# Altium PCB PCB.PcbDoc (part 1 of 4)
Units mm, origin at the board's own origin, x right, y up, seen from the top; angles counter-clockwise.
Board outline 100.83 x 35.45 mm, 6 copper layers (Top Layer, Mid Layer 1, Mid Layer 2, Mid Layer 3, Mid Layer 4, Bottom Layer), stack 1.032 mm thick; 283 components, 227 nets, 1174 pads, 1065 vias.
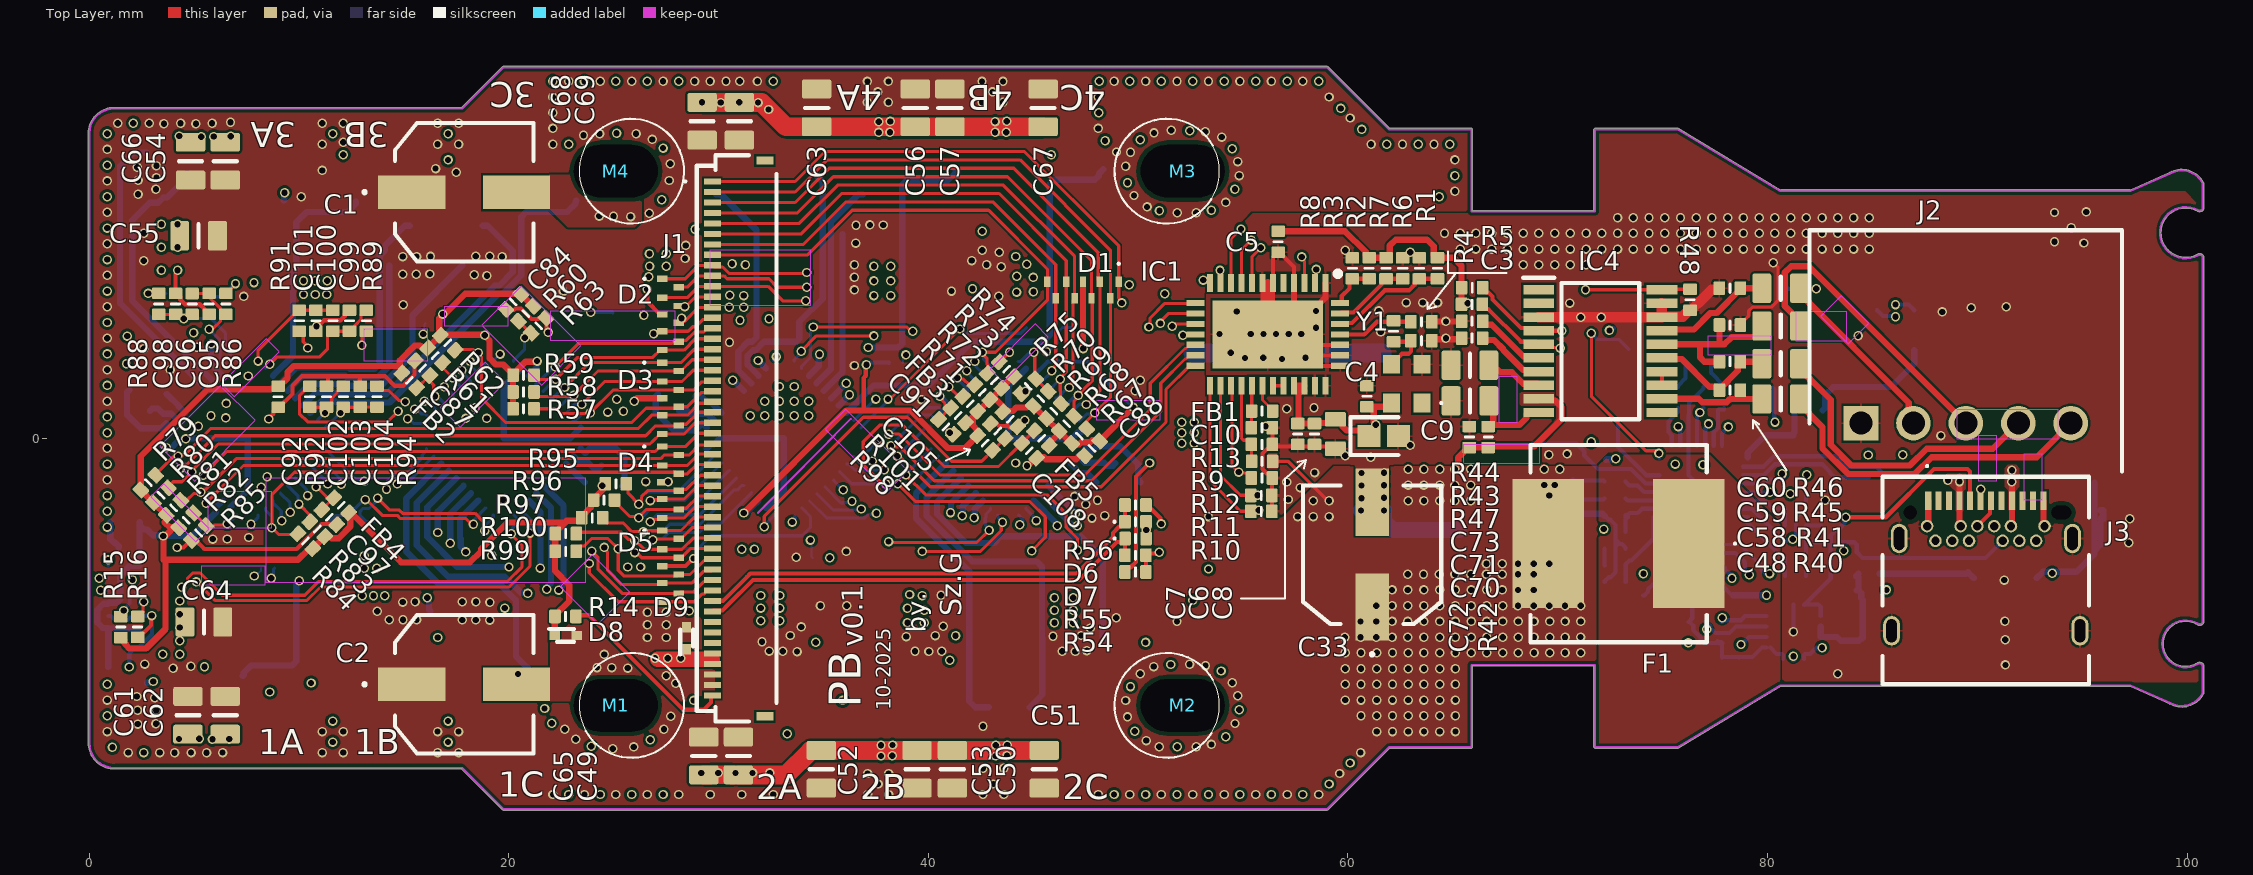
[diagram p0: Top Layer view]
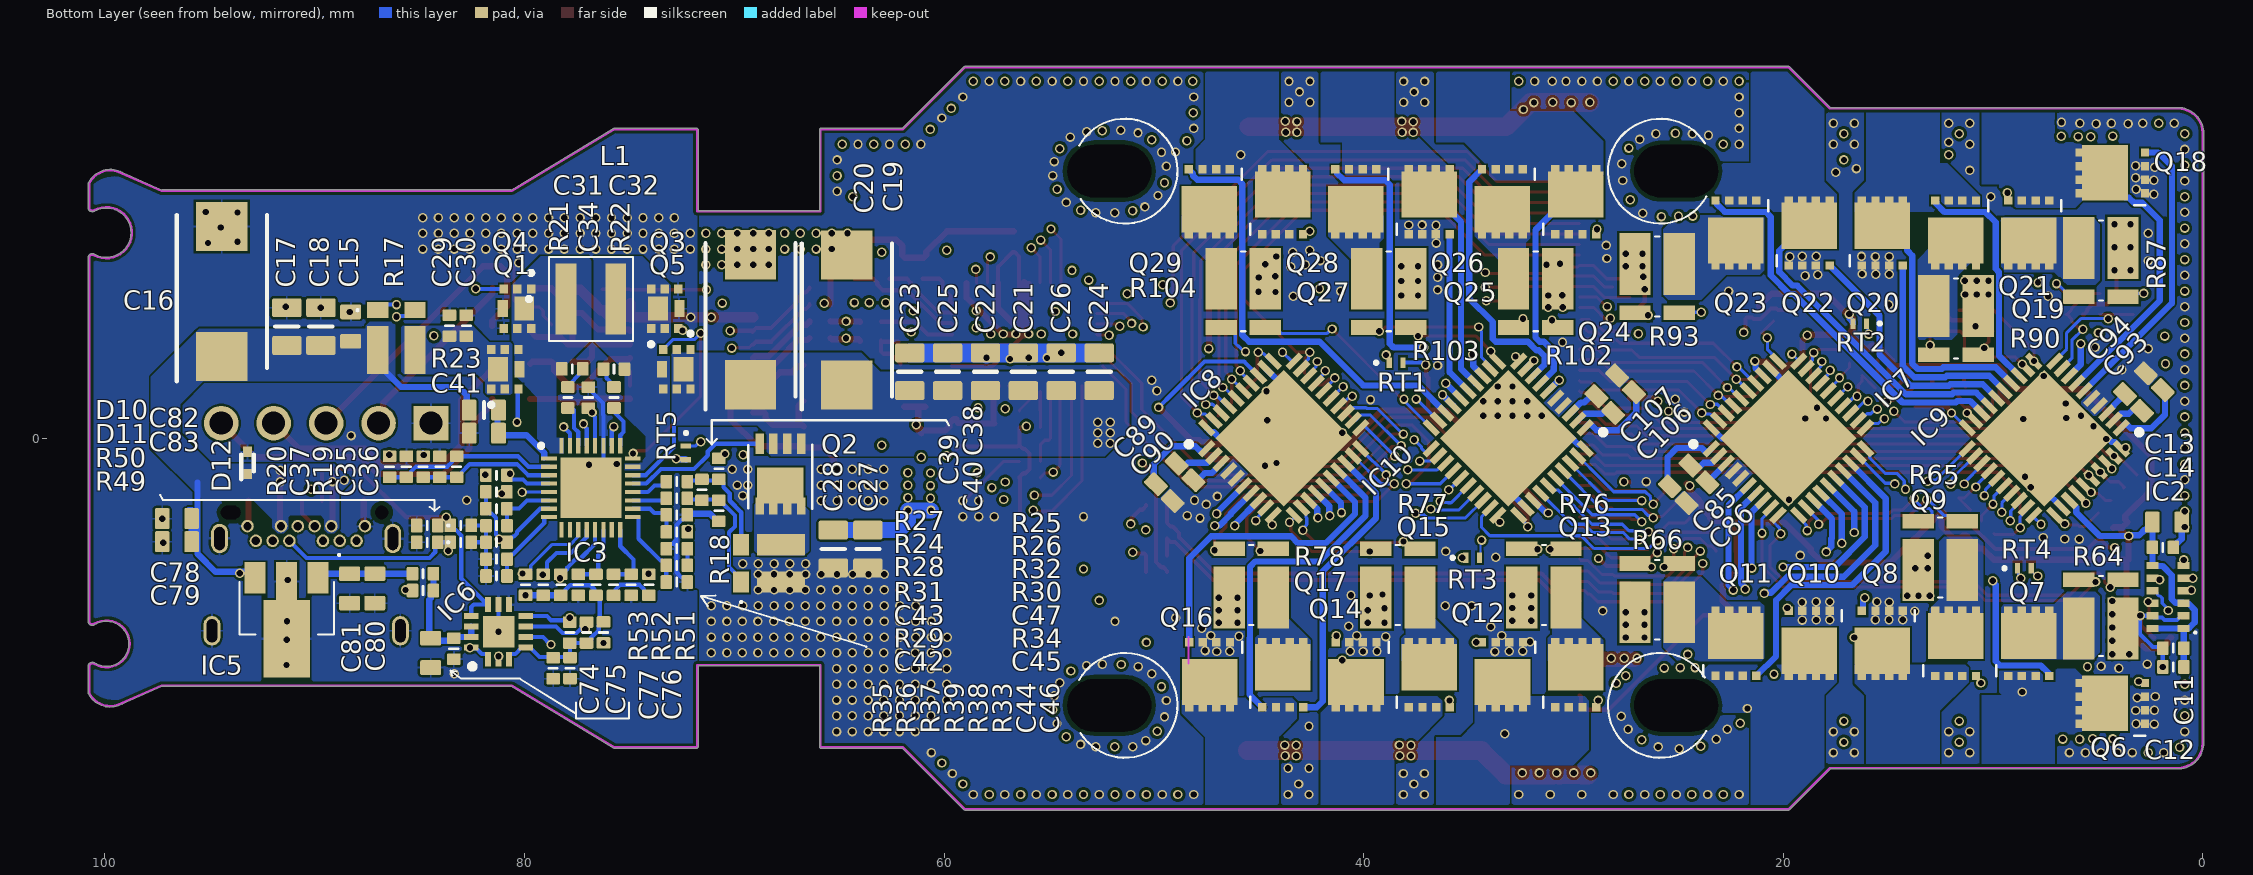
[diagram p1: Bottom Layer view, seen from below]
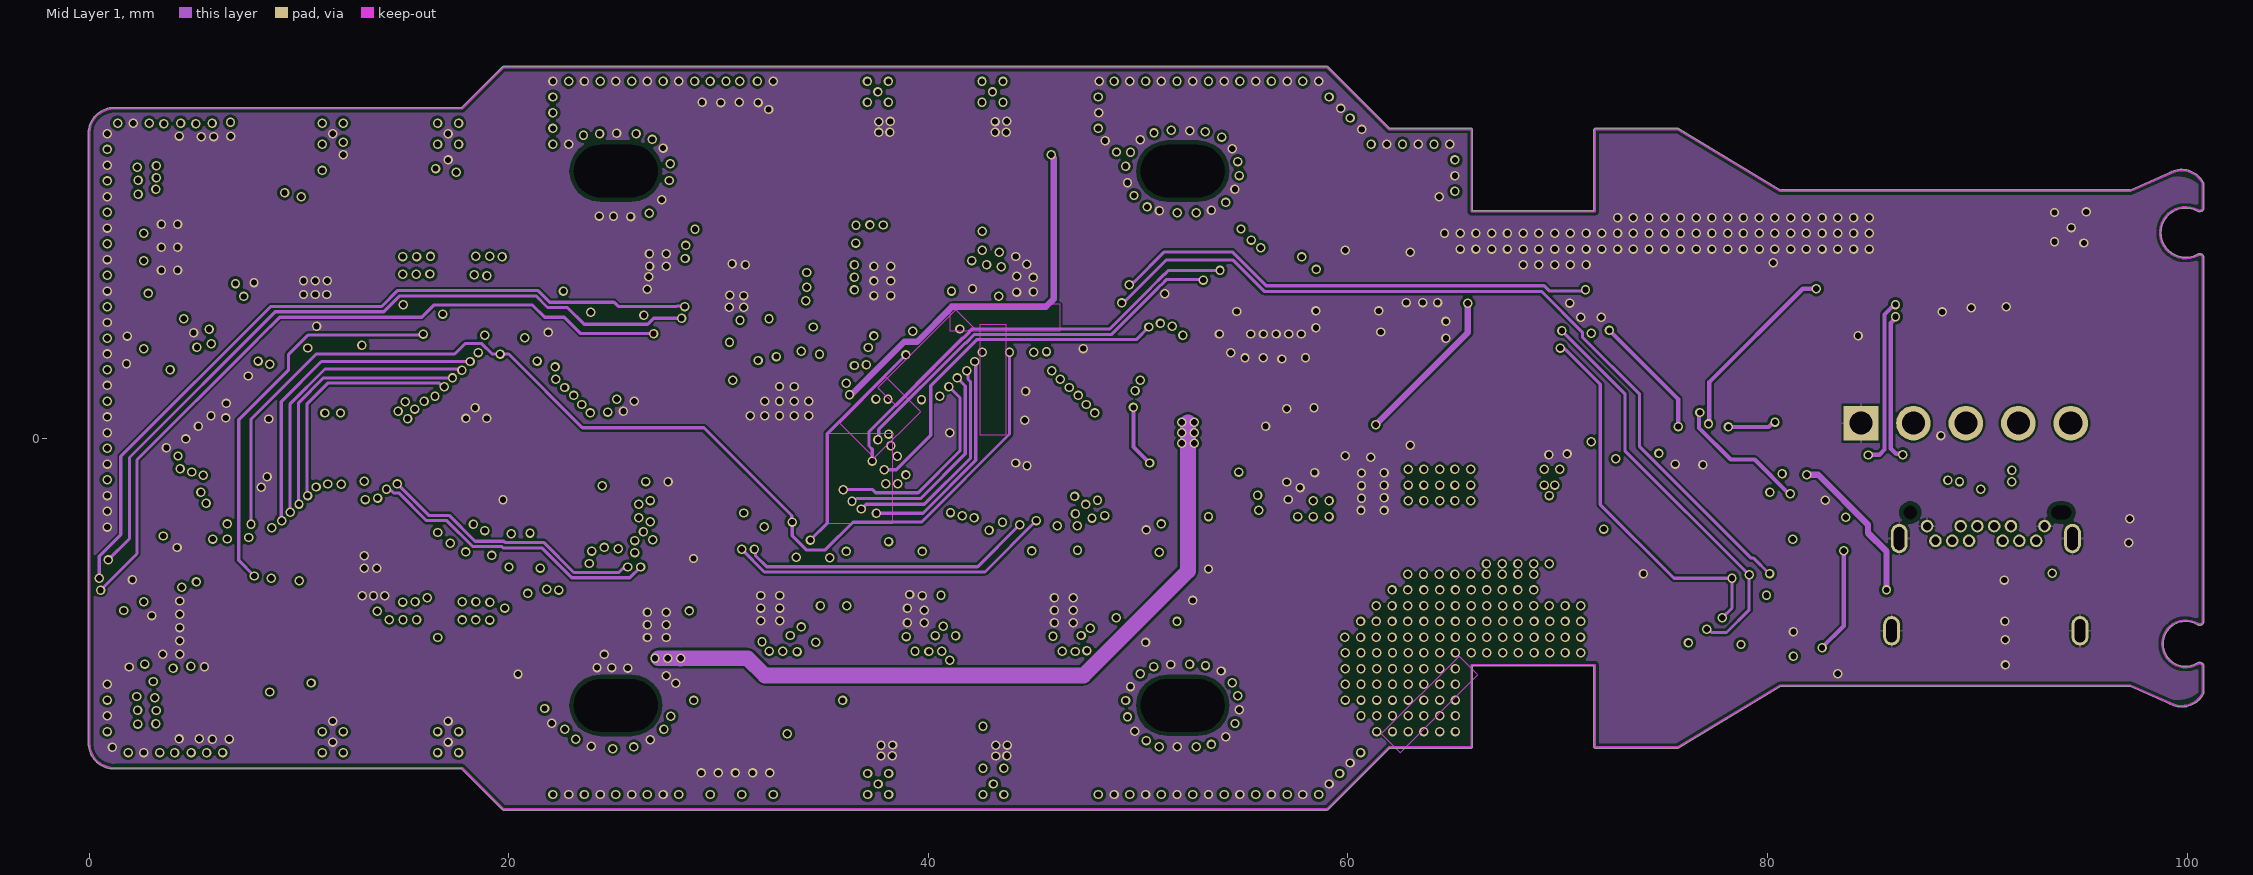
[diagram p2: Mid Layer 1]
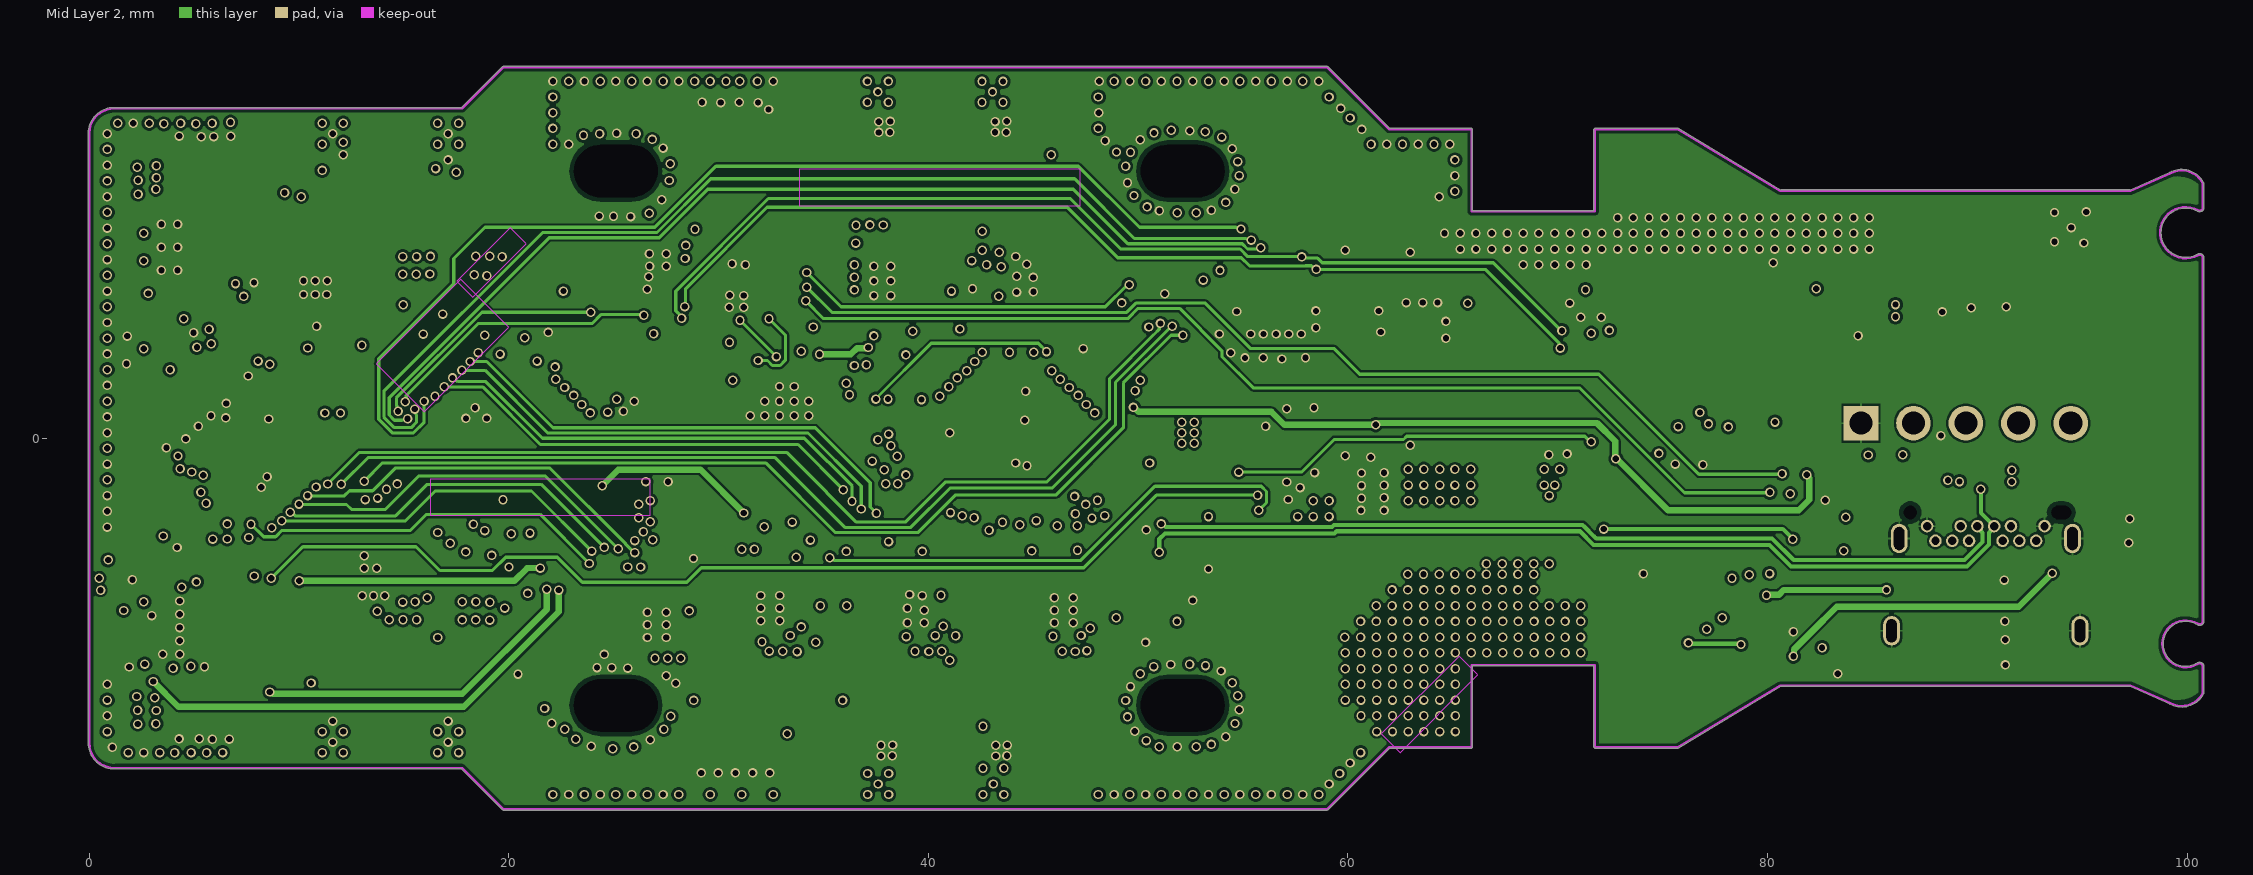
[diagram p3: Mid Layer 2]
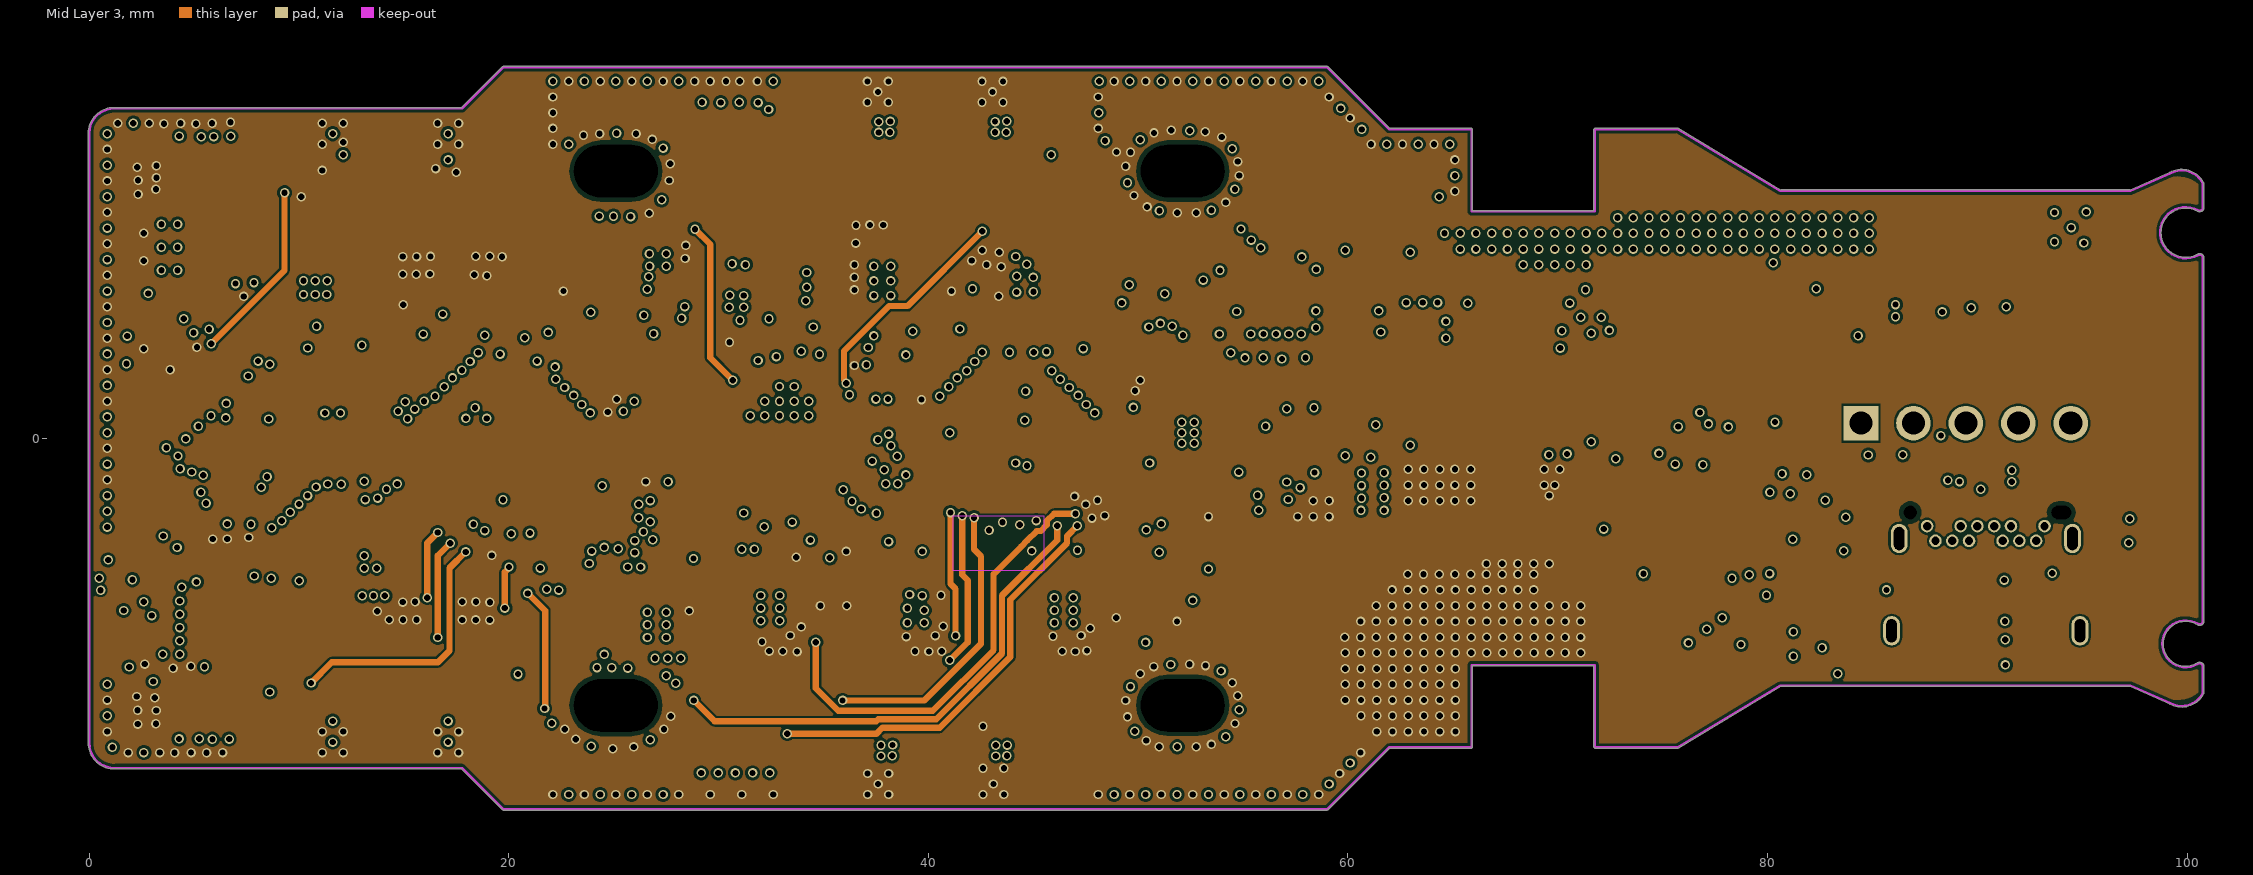
[diagram p4: Mid Layer 3]
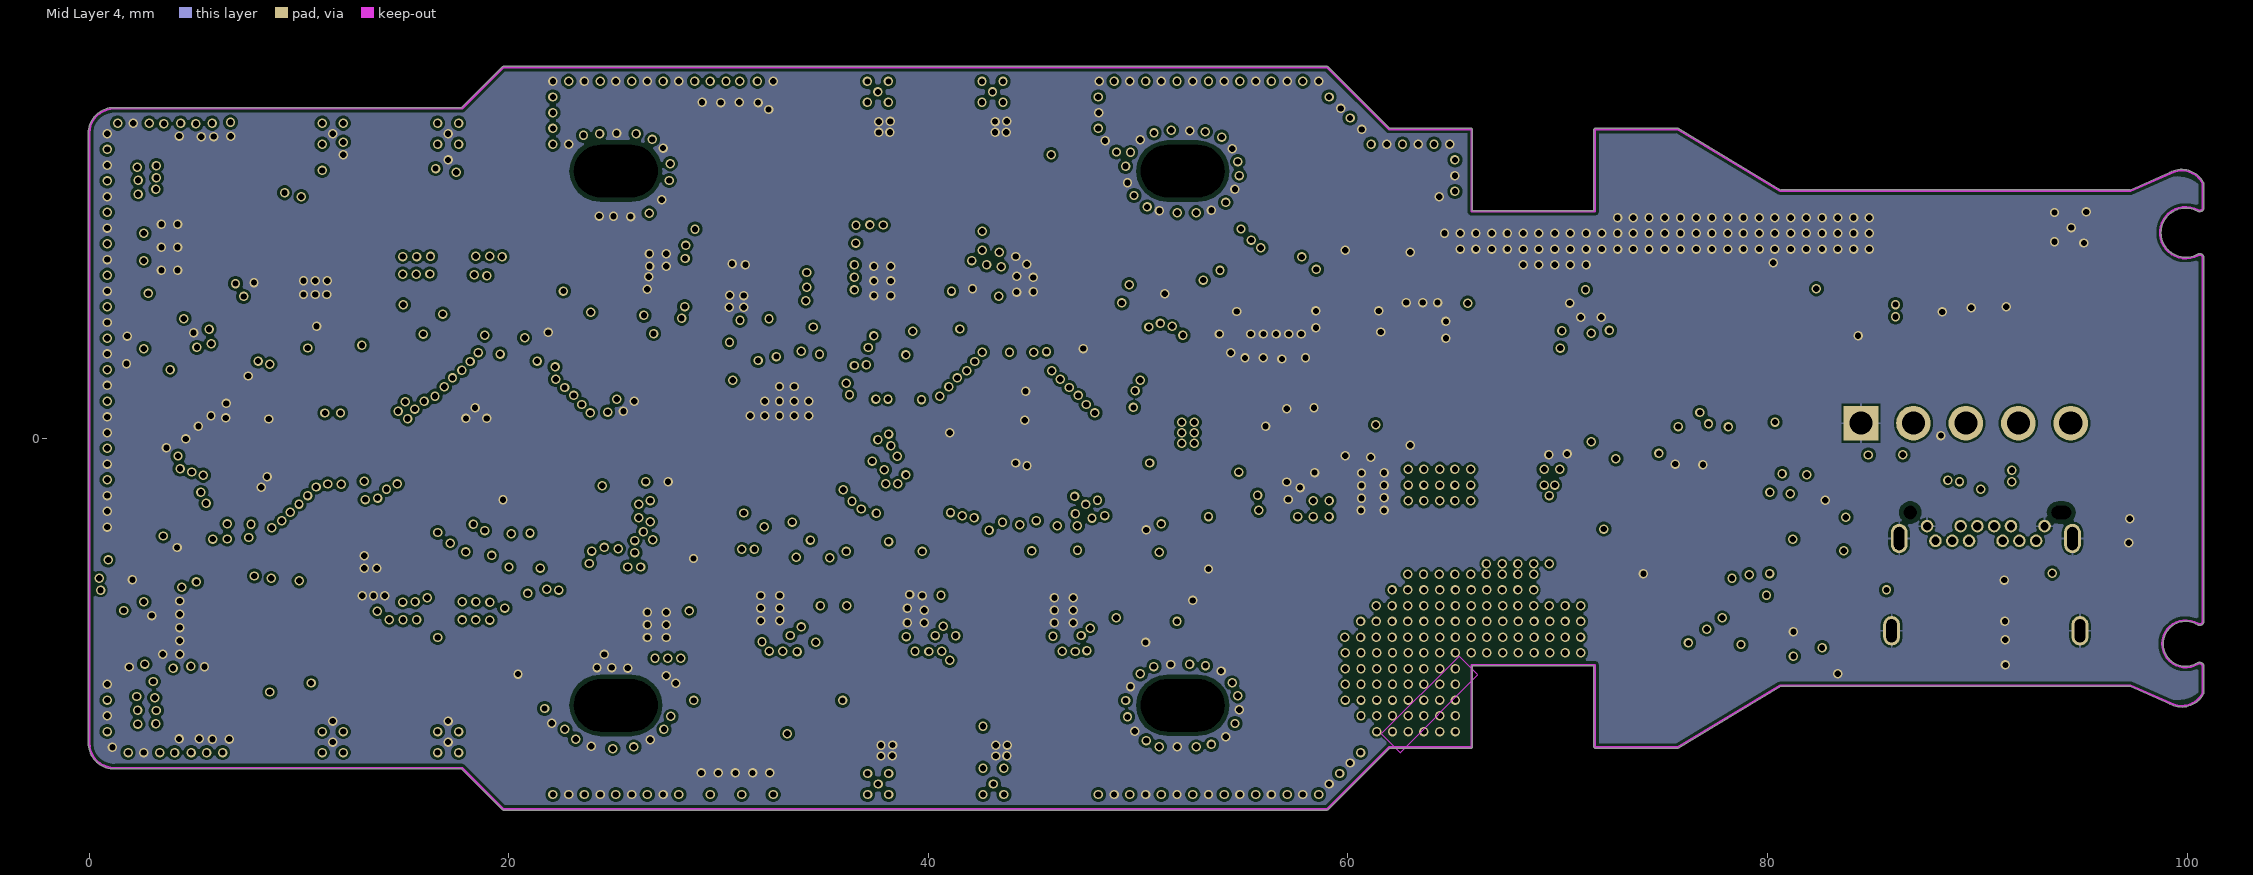
[diagram p5: Mid Layer 4]
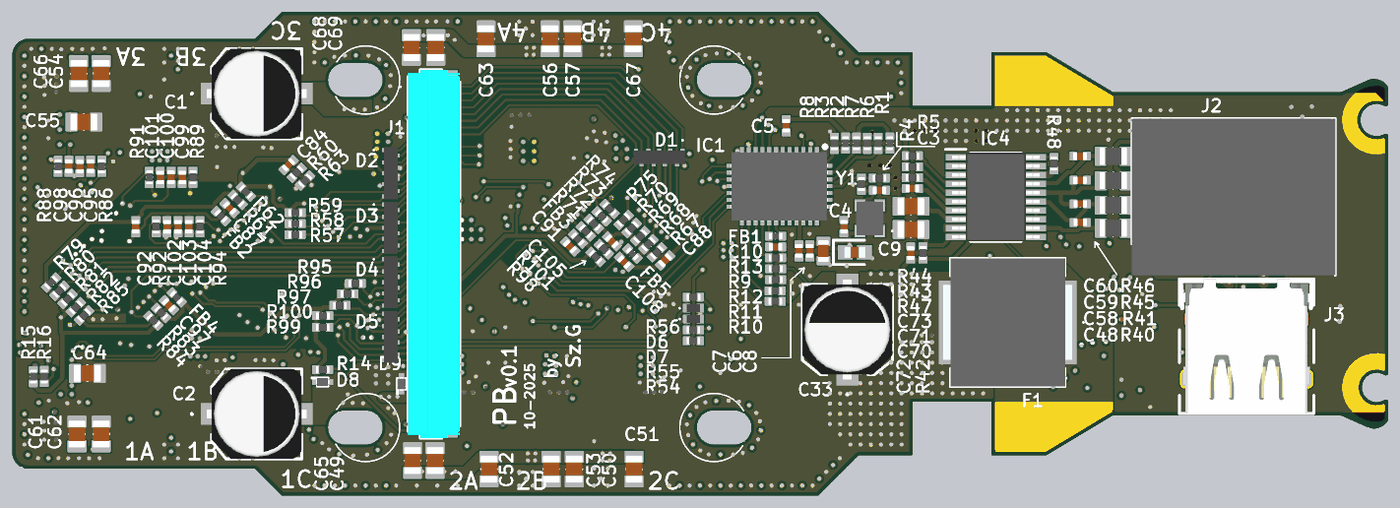
[diagram p9: 3D render of the assembled board from above, using the file's embedded part models]
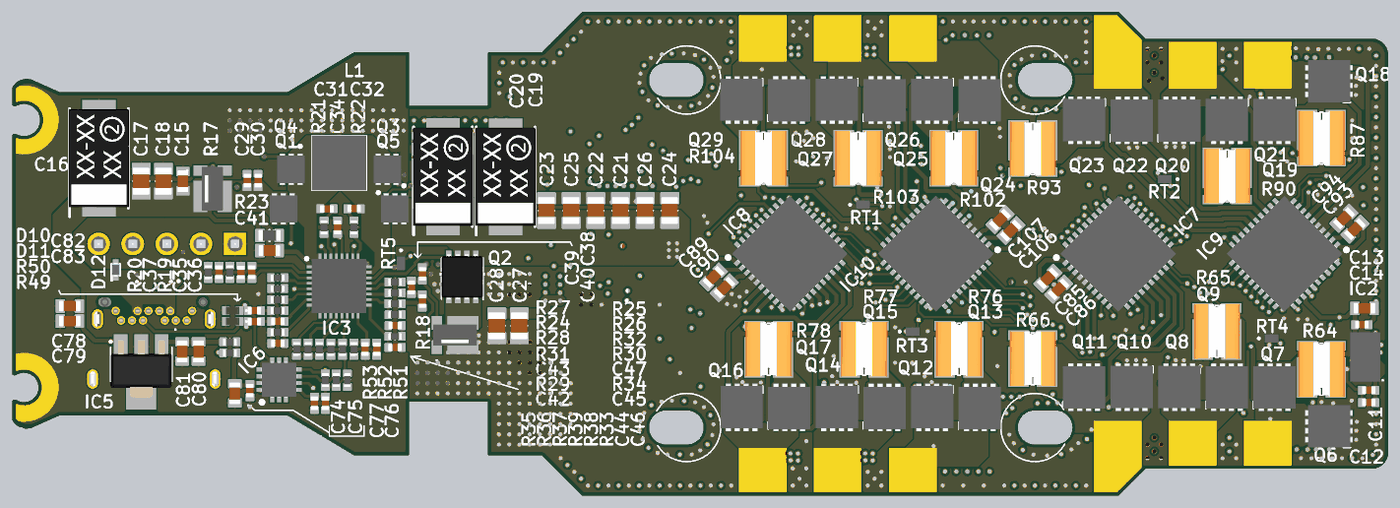
[diagram p10: 3D render of the assembled board from below, using the file's embedded part models]

## Layer stack, top to bottom
Top Solder: solder mask 0.0127, Solder Resist, Dk 3.8
Top Layer: signal copper 0.035
Dielectric 1: prepreg 0.0994, 3313, Dk 4.05
Mid Layer 1: signal copper 0.0152
Core 1: core 0.25, FR-4, Dk 4.5
Mid Layer 2: signal copper 0.0152
Dielectric 2: prepreg 0.2028, 7628, Dk 4.25
Mid Layer 3: signal copper 0.0152
Core 2: core 0.25, FR-4, Dk 4.5
Mid Layer 4: signal copper 0.0152
Dielectric 3: prepreg 0.0994, 3313, Dk 4.05
Bottom Layer: signal copper 0.035
Bottom Solder: solder mask 0.0127, Solder Resist, Dk 3.8

## Board outline
1.203,-15.762 17.744,-15.762 19.693,-17.712 19.728,-17.726 59.008,-17.726 59.044,-17.712 61.975,-14.78 65.882,-14.78 65.933,-14.73 65.933,-10.852 71.724,-10.852 71.724,-14.73 71.774,-14.78 75.702,-14.78 75.729,-14.773 80.626,-11.834 97.296,-11.834 99.177,-12.671 ccw(c99.74,-11.629) 100.78,-12.193 100.786,-12.169 100.787,-10.814 100.779,-10.788 ccw(c100.597,-10.898) 100.492,-10.713 100.49,-10.714 cw(c99.931,-9.8) 100.482,-8.88 100.488,-8.884 ccw(c100.599,-8.702) 100.781,-8.813 100.788,-8.786 100.788,8.667 100.776,8.699 ccw(c100.598,8.583) 100.489,8.765 cw(c99.931,9.799) 100.49,10.832 100.496,10.829 ccw(c100.598,11.016) 100.776,10.899 100.788,10.932 100.788,12.171 100.778,12.201 ccw(c99.741,11.63) 99.176,12.671 99.171,12.668 97.296,11.834 80.626,11.834 75.729,14.773 75.702,14.78 71.774,14.78 71.724,14.73 71.724,10.852 65.933,10.852 65.933,14.73 65.882,14.78 61.975,14.78 59.044,17.712 59.008,17.726 19.728,17.726 19.693,17.712 17.744,15.762 1.202,15.762 1.178,15.763 ccw(c1.179,14.538) -0.046,14.538 -0.046,14.52 -0.044,-14.515 ccw(c1.18,-14.538)
